# Altium PCB Battery Protector.PcbDoc (part 3 of 3)
Units mm, origin at the board's own origin, x right, y up, seen from the top; angles counter-clockwise.
Board outline 80 x 160 mm, 2 copper layers (L1 - Primary, L2 - Secondary), stack 1.65 mm thick; 434 components, 253 nets, 1087 pads, 125 vias.
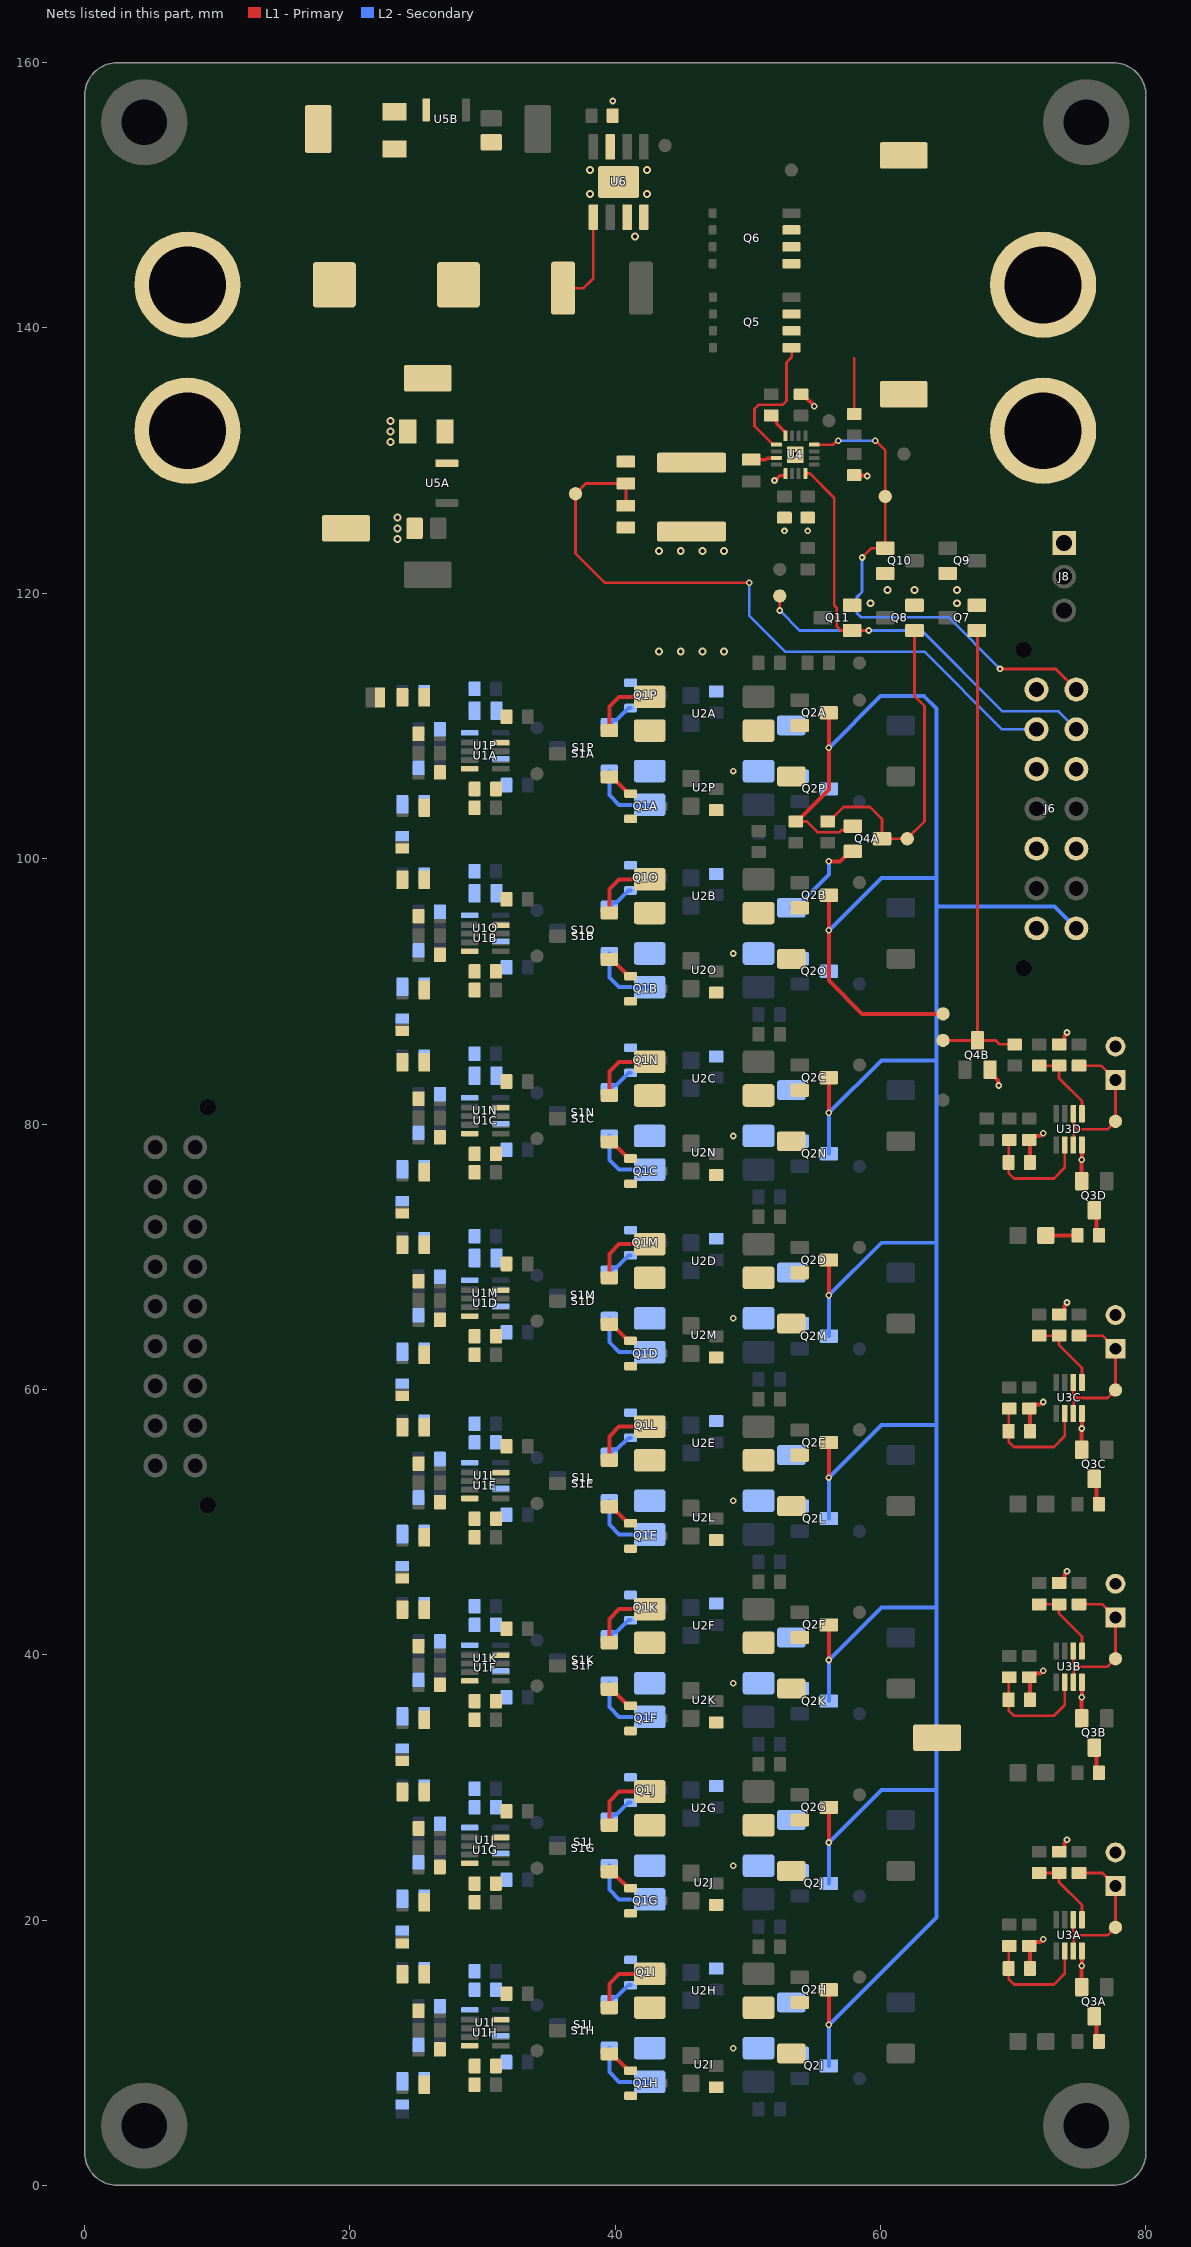
[diagram p3: the nets of this part, all layers, seen from the top]

## Via types
v1: diameter 0.5, hole 0.25, L1 - Primary to L2 - Secondary, tented both sides, 67 vias
v2: diameter 0.6, hole 0.3, L1 - Primary to L2 - Secondary, tented both sides, 58 vias

## Nets (pads, with @x,y where several pads share a name; then routed paths per layer and width w, separated by ;. In a path a pad name is that pad's centre, name@x,y a point inside that pad or via, vN(x,y) a via of type N, cw(c..) or ccw(c..) an arc to the next point about the centre after c; other vN are vias at no path point) (continued)
NetLED2D_2: LED2D.2 R16D.2 | length 2.4
  L1 - Primary w0.3: LED2D.2@72.45,71.6 R16D.2@74.85,71.6
NetQ1A_1: Q1A.1 S1A.1 | length 2.1
  L1 - Primary w0.3: S1A.1@39.55,106.15 39.9,105.8 40.1,105.8 41,104.9 Q1A.1@41.15,104.9
NetQ1B_1: Q1B.1 S1B.1 | length 2.1
  L1 - Primary w0.3: S1B.1@39.55,92.4 39.9,92.05 40.1,92.05 41,91.15 Q1B.1@41.15,91.15
NetQ1C_1: Q1C.1 S1C.1 | length 2.1
  L1 - Primary w0.3: S1C.1@39.55,78.65 39.9,78.3 40.1,78.3 41,77.4 Q1C.1@41.15,77.4
NetQ1D_1: Q1D.1 S1D.1 | length 2.1
  L1 - Primary w0.3: S1D.1@39.55,64.9 39.9,64.55 40.1,64.55 41,63.65 Q1D.1@41.15,63.65
NetQ1E_1: Q1E.1 S1E.1 | length 2.1
  L1 - Primary w0.3: S1E.1@39.55,51.15 39.9,50.8 40.1,50.8 41,49.9 Q1E.1@41.15,49.9
NetQ1F_1: Q1F.1 S1F.1 | length 2.1
  L1 - Primary w0.3: S1F.1@39.55,37.4 39.9,37.05 40.1,37.05 41,36.15 Q1F.1@41.15,36.15
NetQ1G_1: Q1G.1 S1G.1 | length 2.1
  L1 - Primary w0.3: S1G.1@39.55,23.65 39.9,23.3 40.1,23.3 41,22.4 Q1G.1@41.15,22.4
NetQ1H_1: Q1H.1 S1H.1 | length 2.1
  L1 - Primary w0.3: S1H.1@39.55,9.9 39.9,9.55 40.1,9.55 41,8.65 Q1H.1@41.15,8.65
NetQ1I_1: Q1I.1 S1I.1 | length 2.1
  L2 - Secondary w0.3: S1I.1@39.55,13.85 39.9,14.2 40.1,14.2 41,15.1 Q1I.1@41.15,15.1
NetQ1J_1: Q1J.1 S1J.1 | length 2.1
  L2 - Secondary w0.3: S1J.1@39.55,27.6 39.9,27.95 40.1,27.95 41,28.85 Q1J.1@41.15,28.85
NetQ1K_1: Q1K.1 S1K.1 | length 2.1
  L2 - Secondary w0.3: S1K.1@39.55,41.35 39.9,41.7 40.1,41.7 41,42.6 Q1K.1@41.15,42.6
NetQ1L_1: Q1L.1 S1L.1 | length 2.1
  L2 - Secondary w0.3: S1L.1@39.55,55.1 39.9,55.45 40.1,55.45 41,56.35 Q1L.1@41.15,56.35
NetQ1M_1: Q1M.1 S1M.1 | length 2.1
  L2 - Secondary w0.3: S1M.1@39.55,68.85 39.9,69.2 40.1,69.2 41,70.1 Q1M.1@41.15,70.1
NetQ1N_1: Q1N.1 S1N.1 | length 2.1
  L2 - Secondary w0.3: S1N.1@39.55,82.6 39.9,82.95 40.1,82.95 41,83.85 Q1N.1@41.15,83.85
NetQ1O_1: Q1O.1 S1O.1 | length 2.1
  L2 - Secondary w0.3: S1O.1@39.55,96.35 39.9,96.7 40.1,96.7 41,97.6 Q1O.1@41.15,97.6
NetQ1P_1: Q1P.1 S1P.1 | length 2.1
  L2 - Secondary w0.3: S1P.1@39.55,110.1 39.9,110.45 40.1,110.45 41,111.35 Q1P.1@41.15,111.35
NetQ3A_3: Q3A.3 R16A.1 | length 2
  L1 - Primary w0.3: Q3A.3@76.1,12.75 76.275,12.575 76.275,11.025 R16A.1@76.45,10.85
NetQ3B_3: Q3B.3 R16B.1 | length 2
  L1 - Primary w0.3: Q3B.3@76.1,33 76.275,32.825 76.275,31.275 R16B.1@76.45,31.1
NetQ3C_3: Q3C.3 R16C.1 | length 2
  L1 - Primary w0.3: Q3C.3@76.1,53.25 76.275,53.075 76.275,51.525 R16C.1@76.45,51.35
NetQ3D_3: Q3D.3 R16D.1 | length 2
  L1 - Primary w0.3: Q3D.3@76.1,73.5 76.275,73.325 76.275,71.775 R16D.1@76.45,71.6
NetR22_1: R22.1 U4.12 | length 2
  L1 - Primary w0.25: R22.1@51.75,133.4 51.85,133.4 52.175,133.075 52.175,132.775 52.825,132.125 U4.12@52.825,131.875
OPTO_INA: S1A.2 U2A.1 | length 5.2
  L1 - Primary w0.3: S1A.2@39.55,109.65 39.55,111.45 40.29,112.19 U2A.1@42.6,112.19
OPTO_INB: S1B.2 U2B.1 | length 5.2
  L1 - Primary w0.3: S1B.2@39.55,95.9 39.55,97.7 40.29,98.44 U2B.1@42.6,98.44
OPTO_INC: S1C.2 U2C.1 | length 5.2
  L1 - Primary w0.3: S1C.2@39.55,82.15 39.55,83.95 40.29,84.69 U2C.1@42.6,84.69
OPTO_IND: S1D.2 U2D.1 | length 5.2
  L1 - Primary w0.3: S1D.2@39.55,68.4 39.55,70.2 40.29,70.94 U2D.1@42.6,70.94
OPTO_INE: S1E.2 U2E.1 | length 5.2
  L1 - Primary w0.3: S1E.2@39.55,54.65 39.55,56.45 40.29,57.19 U2E.1@42.6,57.19
OPTO_INF: S1F.2 U2F.1 | length 5.2
  L1 - Primary w0.3: S1F.2@39.55,40.9 39.55,42.7 40.29,43.44 U2F.1@42.6,43.44
OPTO_ING: S1G.2 U2G.1 | length 5.2
  L1 - Primary w0.3: S1G.2@39.55,27.15 39.55,28.95 40.29,29.69 U2G.1@42.6,29.69
OPTO_INH: S1H.2 U2H.1 | length 5.2
  L1 - Primary w0.3: S1H.2@39.55,13.4 39.55,15.2 40.29,15.94 U2H.1@42.6,15.94
OPTO_INI: S1I.2 U2I.1 | length 5.2
  L2 - Secondary w0.3: S1I.2@39.55,10.35 39.55,8.55 40.29,7.81 U2I.1@42.6,7.81
OPTO_INJ: S1J.2 U2J.1 | length 5.2
  L2 - Secondary w0.3: S1J.2@39.55,24.1 39.55,22.3 40.29,21.56 U2J.1@42.6,21.56
OPTO_INK: S1K.2 U2K.1 | length 5.2
  L2 - Secondary w0.3: S1K.2@39.55,37.85 39.55,36.05 40.29,35.31 U2K.1@42.6,35.31
OPTO_INL: S1L.2 U2L.1 | length 5.2
  L2 - Secondary w0.3: S1L.2@39.55,51.6 39.55,49.8 40.29,49.06 U2L.1@42.6,49.06
OPTO_INM: S1M.2 U2M.1 | length 5.2
  L2 - Secondary w0.3: S1M.2@39.55,65.35 39.55,63.55 40.29,62.81 U2M.1@42.6,62.81
OPTO_INN: S1N.2 U2N.1 | length 5.2
  L2 - Secondary w0.3: S1N.2@39.55,79.1 39.55,77.3 40.29,76.56 U2N.1@42.6,76.56
OPTO_INO: S1O.2 U2O.1 | length 5.2
  L2 - Secondary w0.3: S1O.2@39.55,92.85 39.55,91.05 40.29,90.31 U2O.1@42.6,90.31
OPTO_INP: S1P.2 U2P.1 | length 5.2
  L2 - Secondary w0.3: S1P.2@39.55,106.6 39.55,104.8 40.29,104.06 U2P.1@42.6,104.06
OT_REFA: R11A.1 R13A.2 U3A.2 | length 9
  L1 - Primary w0.204: R11A.1@69.7,18.05 69.65,18 R13A.2@69.65,16.35 69.65,15.55 70.05,15.15 73.05,15.15 73.875,15.975 U3A.2@73.875,17.675
OT_REFB: R11B.1 R13B.2 U3B.2 | length 9
  L1 - Primary w0.204: R11B.1@69.7,38.3 69.65,38.25 R13B.2@69.65,36.6 69.65,35.8 70.05,35.4 73.05,35.4 73.875,36.225 U3B.2@73.875,37.925
OT_REFC: R11C.1 R13C.2 U3C.2 | length 9
  L1 - Primary w0.204: R11C.1@69.7,58.55 69.65,58.5 R13C.2@69.65,56.85 69.65,56.05 70.05,55.65 73.05,55.65 73.875,56.475 U3C.2@73.875,58.175
OT_REFD: R11D.1 R13D.2 U3D.2 | length 9
  L1 - Primary w0.204: R11D.1@69.7,78.8 69.65,78.75 R13D.2@69.65,77.1 69.65,76.3 70.05,75.9 73.05,75.9 73.875,76.725 U3D.2@73.875,78.425
TCELLS_ERR: Q4B.3 Q7.1 R28B.1 TP10B.1 | length 36.4
  L1 - Primary w0.204: TP10B.1@64.7,86.3 Q4B.3@67.3,86.3 ; Q7.1@67.25,117.2 67.3,117.15 Q4B.3@67.3,86.3 ; R28B.1@70.1,86 68.975,86 68.675,86.3 Q4B.3@67.3,86.3
TSA: J5A.1 R10A.1 TP7A.1 U3A.3 U3A.6 | length 12
  L1 - Primary w0.204: U3A.3@74.525,17.675 74.55,17.7 74.55,18.55 74.85,18.85 ; U3A.6@74.525,20.025 74.525,19.175 74.85,18.85 ; R10A.1@74.95,23.55 76.71,23.55 J5A.1@77.7,22.56 TP7A.1@77.7,19.45 77.1,18.85 74.85,18.85
TSB: J5B.1 R10B.1 TP7B.1 U3B.3 U3B.6 | length 12
  L1 - Primary w0.204: U3B.3@74.525,37.925 74.55,37.95 74.55,38.8 74.85,39.1 ; U3B.6@74.525,40.275 74.525,39.425 74.85,39.1 ; R10B.1@74.95,43.8 76.71,43.8 J5B.1@77.7,42.81 TP7B.1@77.7,39.7 77.1,39.1 74.85,39.1
TSC: J5C.1 R10C.1 TP7C.1 U3C.3 U3C.6 | length 12
  L1 - Primary w0.204: U3C.3@74.525,58.175 74.55,58.2 74.55,59.05 74.85,59.35 ; U3C.6@74.525,60.525 74.525,59.675 74.85,59.35 ; R10C.1@74.95,64.05 76.71,64.05 J5C.1@77.7,63.06 TP7C.1@77.7,59.95 77.1,59.35 74.85,59.35
TSD: J5D.1 R10D.1 TP7D.1 U3D.3 U3D.6 | length 12
  L1 - Primary w0.204: U3D.3@74.525,78.425 74.55,78.45 74.55,79.3 74.85,79.6 ; U3D.6@74.525,80.775 74.525,79.925 74.85,79.6 ; R10D.1@74.95,84.4 76.61,84.4 J5D.1@77.7,83.31 TP7D.1@77.7,80.2 77.1,79.6 74.85,79.6
UT_REFA: R12A.1 R14A.2 U3A.5 | length 5.7
  L1 - Primary w0.204: R12A.1@71.95,23.55 R14A.2@73.45,23.55 73.45,22.85 75.175,21.125 U3A.5@75.175,20.025
UT_REFB: R12B.1 R14B.2 U3B.5 | length 5.7
  L1 - Primary w0.204: R12B.1@71.95,43.8 R14B.2@73.45,43.8 73.45,43.1 75.175,41.375 U3B.5@75.175,40.275
UT_REFC: R12C.1 R14C.2 U3C.5 | length 5.7
  L1 - Primary w0.204: R12C.1@71.95,64.05 R14C.2@73.45,64.05 73.45,63.35 75.175,61.625 U3C.5@75.175,60.525
UT_REFD: R12D.1 R14D.2 U3D.5 | length 5.8
  L1 - Primary w0.204: R12D.1@71.95,84.4 R14D.2@73.45,84.4 73.45,83.45 75.175,81.725 U3D.5@75.175,80.775
VBAT+: C4A.2 C4B.2 C8.2 C10.1 F1.2 R21.2 R23.1 TP2.1 U4.15 U5A.3 U5B.3 U6.1 | length 9.1
  L1 - Primary w0.204: R23.1@36.065,143 37.6,143 38.345,143.745 U6.1@38.345,148.346
  L1 - Primary w0.25: C10.1@50.25,130.075 51.325,130.075 51.435,130.185 52.135,130.185 U4.15@52.15,130.2
VBAT+_F: F1.1 J1.1
VBAT-: C3A.1 C3B.1 C3C.1 C3D.1 C4A.1 C4B.1 C5A.1 C5B.1 C7.2 C8.1 C9.1 C11.1 C12.1 J1.2 J2.2 J5A.2 J5B.2 J5C.2 J5D.2 J6.3 J6.5 J6.8 J6.10 J6.12 J6.14 J8.1 Q2A.2 Q2B.2 Q2C.2 Q2D.2 Q2E.2 Q2F.2 Q2G.2 Q2H.2 Q2I.2 Q2J.2 Q2K.2 Q2L.2 Q2M.2 Q2N.2 Q2O.2 Q2P.2 Q3A.2 Q3B.2 Q3C.2 Q3D.2 Q4A.2 Q4B.2 Q7.2 Q8.2 Q9.2 Q10.2 Q11.2 R13A.1 R13B.1 R13C.1 R13D.1 R14A.1 R14B.1 R14C.1 R14D.1 R25.1 R29.1 S2A.2 S2B.2 S2C.2 S2D.2 S2E.2 S2F.2 S2G.2 S2H.2 S2I.2 S2J.2 S2K.2 S2L.2 S2M.2 S2N.2 S2O.2 S2P.2 TP1.1 TP4.1 TP24.1 TP26.1 U2A.3 U2B.3 U2C.3 U2D.3 U2E.3 U2F.3 U2G.3 U2H.3 U2I.3 U2J.3 U2K.3 U2L.3 U2M.3 U2N.3 U2O.3 U2P.3 U3A.4 U3B.4 U3C.4 U3D.4 U4.1 U4.17 U5A.2 U5B.2 U6.3 U6.4 U6.7 U6.9 | length 39.6
  L1 - Primary w0.25: v1(52,128.5) 52.068,128.5 52.446,128.879 52.8,128.879 52.825,128.904 U4.1@52.825,129.025
  L1 - Primary w0.3: C11.1@54,135 54.1,135 v1(55,134.1) ; v1(56.1,99.8) 56.95,99.8 57.7,100.55 Q4A.2@57.9,100.55 ; R25.1@58,128.9 58.031,128.869 58.969,128.869 v1(59,128.838) ; Q4B.2@68.25,84.1 68.25,83.9 68.862,83.288 68.862,82.938 v1(68.9,82.9) ; R13A.1@71.25,16.35 71.25,18 C3A.1@71.2,18.05 71.5,18.35 71.996,18.35 72.196,18.55 v1(72.25,18.55) ; R13B.1@71.25,36.6 71.25,38.25 C3B.1@71.2,38.3 71.5,38.6 71.996,38.6 72.196,38.8 v1(72.25,38.8) ; R13C.1@71.25,56.85 71.25,58.5 C3C.1@71.2,58.55 71.5,58.85 71.996,58.85 72.196,59.05 v1(72.25,59.05) ; R13D.1@71.25,77.1 71.25,78.75 C3D.1@71.2,78.8 71.5,79.1 71.996,79.1 72.196,79.3 v1(72.25,79.3) ; R14A.1@73.45,25.15 73.55,25.15 73.85,25.45 73.85,25.796 74.05,25.996 v1(74.05,26.05) ; R14B.1@73.45,45.4 73.55,45.4 73.85,45.7 73.85,46.046 74.05,46.246 v1(74.05,46.3) ; R14C.1@73.45,65.65 73.55,65.65 73.85,65.95 73.85,66.296 74.05,66.496 v1(74.05,66.55) ; R14D.1@73.45,86 73.55,86 73.85,86.3 73.85,86.646 74.05,86.846 v1(74.05,86.9) ; Q3A.2@75.15,14.95 v1(75.15,16.55) 75.162,16.562 75.162,17.663 U3A.4@75.175,17.675 ; Q3B.2@75.15,35.2 v1(75.15,36.8) 75.162,36.812 75.162,37.913 U3B.4@75.175,37.925 ; Q3C.2@75.15,55.45 v1(75.15,57.05) 75.162,57.062 75.162,58.163 U3C.4@75.175,58.175 ; Q3D.2@75.15,75.7 v1(75.15,77.3) 75.162,77.312 75.162,78.413 U3D.4@75.175,78.425
  L2 - Secondary w0.3: S2O.2@53.275,96.3 53.6,96.3 56.1,98.8 v1(56.1,99.8)
  other v1: 48.9,10.35 48.9,24.1 48.9,37.85 48.9,51.6 48.9,65.35 48.9,79.1 48.9,92.85 48.9,106.6 52.75,124.7 54.5,124.7 39.8,157.1
  other v2: 43.3,115.6 44.933,115.6 46.567,115.6 48.2,115.6 59.25,119.25 65.75,119.25 60.5,120.25 62.55,120.25 65.75,120.25 43.3,123.2 44.933,123.2 46.567,123.2 48.2,123.2 23.575,124.1 23.575,124.9 23.575,125.7 53.575,130.45 23.07,131.4 23.07,132.2 23.07,133 41.5,146.9 38.1,150.1 42.4,150.1 38.1,151.9 42.4,151.9
VBAT_FB: J6.13 R21.1 R29.2 TP6.1 | length 52
  L1 - Primary w0.204: R29.2@40.8,126.6 R21.1@40.8,128.275 37.775,128.275 TP6.1@37,127.5 37,123 39.2,120.8 v1(50.1,120.8)
  L2 - Secondary w0.204: v1(50.1,120.8) 50.1,118.3 50.6,117.8 52.8,115.6 63.3,115.6 69.15,109.75 J6.13@71.75,109.75
VBAT_LOW_n: J6.6 Q11.1 TP19.1 U4.4 | length 42.4
  L1 - Primary w0.204: v1(52.4,118.7) TP19.1@52.4,119.8 ; U4.4@54.325,129.025 54.675,129.025 56.5,127.2 56.5,119.1 56.7,118.9 56.7,117.5 57,117.2 Q11.1@57.85,117.2 v1(59.1,117.2)
  L2 - Secondary w0.204: v1(52.4,118.7) 53.9,117.2 v1(59.1,117.2) 63.1,117.2 69.2,111.1 73.4,111.1 J6.6@74.75,109.75
VBAT_OC_n: J6.7 Q10.1 TP18.1 U4.8 | length 38.5
  L1 - Primary w0.204: U4.8@55,131.2 56.428,131.2 56.728,131.5 v1(56.8,131.5) ; v1(58.6,122.7) 59.3,123.4 Q10.1@60.35,123.4 TP18.1@60.35,127.3 60.35,130.75 v1(59.6,131.5) ; v1(69,114.3) 73.2,114.3 J6.7@74.75,112.75
  L2 - Secondary w0.204: v1(56.8,131.5) v1(59.6,131.5) ; v1(58.6,122.7) 58.6,120.1 58.2,119.7 58.2,118.5 58.5,118.2 65.1,118.2 v1(69,114.3)
VCCA: C2A.2 R3A.2 R4A.2 R5A.2 R7A.2 U1A.8
VCCB: C2B.2 R3B.2 R4B.2 R5B.2 R7B.2 U1B.8
VCCC: C2C.2 R3C.2 R4C.2 R5C.2 R7C.2 U1C.8
VCCD: C2D.2 R3D.2 R4D.2 R5D.2 R7D.2 U1D.8
VCCE: C2E.2 R3E.2 R4E.2 R5E.2 R7E.2 U1E.8
VCCF: C2F.2 R3F.2 R4F.2 R5F.2 R7F.2 U1F.8
VCCG: C2G.2 R3G.2 R4G.2 R5G.2 R7G.2 U1G.8
VCCH: C2H.2 R3H.2 R4H.2 R5H.2 R7H.2 U1H.8
VCCI: C2I.2 R3I.2 R4I.2 R5I.2 R7I.2 U1I.8
VCCJ: C2J.2 R3J.2 R4J.2 R5J.2 R7J.2 U1J.8
VCCK: C2K.2 R3K.2 R4K.2 R5K.2 R7K.2 U1K.8
VCCL: C2L.2 R3L.2 R4L.2 R5L.2 R7L.2 U1L.8
VCCM: C2M.2 R3M.2 R4M.2 R5M.2 R7M.2 U1M.8
VCCN: C2N.2 R3N.2 R4N.2 R5N.2 R7N.2 U1N.8
VCCO: C2O.2 R3O.2 R4O.2 R5O.2 R7O.2 U1O.8
VCCP: C2P.2 R3P.2 R4P.2 R5P.2 R7P.2 U1P.8
VCELLS_ERR: Q4A.3 Q8.1 R28A.1 TP10A.1 | length 24.9
  L1 - Primary w0.204: R28A.1@56,102.8 56.1,102.8 57.2,103.9 59.2,103.9 60.1,103 Q4A.3@60.1,101.5 TP10A.1@62,101.5 63.3,102.8 63.3,111.5 62.55,112.25 Q8.1@62.55,117.2
VCELLS_GOOD: J6.1 Q2A.3 Q2B.3 Q2C.3 Q2D.3 Q2E.3 Q2F.3 Q2G.3 Q2H.3 Q2I.3 Q2J.3 Q2K.3 Q2L.3 Q2M.3 Q2N.3 Q2O.3 Q2P.3 Q4A.1 R9.1 TP9.1 | length 253
  L1 - Primary w0.204: R9.1@53.7,102.8 54.438,102.8 55.238,102 56.9,102 57.063,102.163 57.613,102.163 Q4A.1@57.9,102.45
  L1 - Primary w0.3: R9.1@53.6,102.8 53.7,102.8 56.1,105.2 v1(56.1,108.35) Q2A.3@56.1,110.992 ; v1(56.1,12.1) Q2H.3@56.1,14.742 ; v1(56.1,25.85) Q2G.3@56.1,28.492 ; v1(56.1,39.6) Q2F.3@56.1,42.242 ; v1(56.1,53.35) Q2E.3@56.1,55.992 ; v1(56.1,67.1) Q2D.3@56.1,69.742 ; v1(56.1,80.85) Q2C.3@56.1,83.492 ; Q2B.3@56.1,97.242 v1(56.1,94.6) 56.1,90.8 58.6,88.3 TP9.1@64.7,88.3
  L2 - Secondary w0.3: Q2I.3@56.1,9.008 v1(56.1,12.1) 64.2,20.2 64.2,29.8 ; Q2J.3@56.1,22.758 v1(56.1,25.85) 60.05,29.8 64.2,29.8 ; Q2K.3@56.1,36.508 v1(56.1,39.6) 60.05,43.55 64.2,43.55 ; Q2L.3@56.1,50.258 v1(56.1,53.35) 60.05,57.3 64.2,57.3 ; Q2M.3@56.1,64.008 v1(56.1,67.1) 60.05,71.05 64.2,71.05 ; Q2N.3@56.1,77.758 v1(56.1,80.85) 60.05,84.8 64.2,84.8 ; Q2O.3@56.1,91.508 v1(56.1,94.6) 60.05,98.55 64.2,98.55 ; Q2P.3@56.1,105.258 v1(56.1,108.35) 60,112.25 63.25,112.25 64.2,111.3 64.2,98.55 ; J6.1@74.75,94.75 73.1,96.4 64.2,96.4 ; 64.2,29.8 64.2,43.55 ; 64.2,43.55 64.2,57.3 ; 64.2,57.3 64.2,71.05 ; 64.2,71.05 64.2,84.8 ; 64.2,84.8 64.2,96.4 ; 64.2,96.4 64.2,98.55
VEE1: NT1.2 R8A.1
VEE2: NT2.2 R8B.1
VEE3: NT3.2 R8C.1
VEE4: NT4.2 R8D.1
VEE5: NT5.2 R8E.1
VEE6: NT6.2 R8F.1
VEE7: NT7.2 R8G.1
VEE8: NT8.2 R8H.1
VEE9: NT9.2 R8I.1
VEE10: NT10.2 R8J.1
VEE11: NT11.2 R8K.1
VEE12: NT12.2 R8L.1
VEE13: NT13.2 R8M.1
VEE14: NT14.2 R8N.1
VEE15: NT15.2 R8O.1
VEE16: NT16.2 R8P.1
VEEA: C1A.1 C2A.1 Q1A.2 R1A.1 R8A.2 U1A.4 U2A.2
VEEB: C1B.1 C2B.1 Q1B.2 R1B.1 R8B.2 U1B.4 U2B.2
VEEC: C1C.1 C2C.1 Q1C.2 R1C.1 R8C.2 U1C.4 U2C.2
VEED: C1D.1 C2D.1 Q1D.2 R1D.1 R8D.2 U1D.4 U2D.2
VEEE: C1E.1 C2E.1 Q1E.2 R1E.1 R8E.2 U1E.4 U2E.2
VEEF: C1F.1 C2F.1 Q1F.2 R1F.1 R8F.2 U1F.4 U2F.2
VEEG: C1G.1 C2G.1 Q1G.2 R1G.1 R8G.2 U1G.4 U2G.2
VEEH: C1H.1 C2H.1 Q1H.2 R1H.1 R8H.2 U1H.4 U2H.2
VEEI: C1I.1 C2I.1 Q1I.2 R1I.1 R8I.2 U1I.4 U2I.2
VEEJ: C1J.1 C2J.1 Q1J.2 R1J.1 R8J.2 U1J.4 U2J.2
VEEK: C1K.1 C2K.1 Q1K.2 R1K.1 R8K.2 U1K.4 U2K.2
VEEL: C1L.1 C2L.1 Q1L.2 R1L.1 R8L.2 U1L.4 U2L.2
VEEM: C1M.1 C2M.1 Q1M.2 R1M.1 R8M.2 U1M.4 U2M.2
VEEN: C1N.1 C2N.1 Q1N.2 R1N.1 R8N.2 U1N.4 U2N.2
VEEO: C1O.1 C2O.1 Q1O.2 R1O.1 R8O.2 U1O.4 U2O.2
VEEP: C1P.1 C2P.1 Q1P.2 R1P.1 R8P.2 U1P.4 U2P.2
VPACK+: J2.1 Q5.1 Q5.2 Q5.3 Q6.1 Q6.2 Q6.3 R24.2 TP25.1 U4.13 | length 14.6
  L1 - Primary w0.204: U4.13@52.15,131.2 51.9,131.2 50.5,132.6 50.5,133.9 50.8,134.2 52.6,134.2 52.9,134.5 52.9,137.4 53.292,137.792 Q5.1@53.292,138.512 ; R24.2@58,133.5 58,137.7
pads on no net: J4.1 J4.MH1 J4.MH2 J6.MH1 J6.MH2 J8.3 MH1.0 MH2.0 MH3.0 MH4.0 U4.10 U6.6
copper on no net:
  other v2: 4.5,2 75.5,2 2.732,2.732 6.268,2.732 73.732,2.732 77.268,2.732 2,4.5 7,4.5 73,4.5 78,4.5 2.732,6.268 6.268,6.268 73.732,6.268 77.268,6.268 4.5,7 75.5,7 4.5,153 75.5,153 2.732,153.732 6.268,153.732 73.732,153.732 77.268,153.732 2,155.5 7,155.5 73,155.5 78,155.5 2.732,157.268 6.268,157.268 73.732,157.268 77.268,157.268 4.5,158 75.5,158

## Polygon pours and split planes (outlines as drawn)
VEED on L1 - Primary "VEED_L01_P007" (solid, pour order 7): 37 vertices, not listed, extent 24.5,61.25 44.25,71.75
VEEF on L1 - Primary "VEEF_L01_P009" (solid, pour order 9): 37 vertices, not listed, extent 24.5,33.75 44.25,44.25
VBAT+ on L1 - Primary "L1 - Primary-VBAT+" (solid, pour order 151): 28 vertices, not listed, extent 19.5,128.5 50.75,157.75
VBAT- on L1 - Primary "VBAT-_L01_P159" (solid, pour order 159): 26.5,156 26.5,158.25 19,158.25 19,152.5 16,152.5 16,159.25 28,159.25 28,156
VBAT- on L1 - Primary "VBAT-_L01_P158" (solid, pour order 158): 70,133.5 69,134.5 68.25,134.5 67.25,133.5 59.5,133.5 59.5,136.5 68.75,136.5 71,134.25 71,133.5
VBAT- on L1 - Primary "VBAT-_L01_P157" (solid, pour order 157): 57,118.75 57,120.25 59.25,120.25 59.25,121.75 61.5,121.75 61.5,121.25 63.75,121.25 63.75,121.75 66.25,121.75 66.25,120.25 68.5,120.25 68.5,118.75 66.25,118.75
3V3 on L1 - Primary "3V3_L01_P156" (solid, pour order 156): 20 vertices, not listed, extent 23.5,113.5 55.1,127
VBAT- on L1 - Primary "VBAT-_L01_P155" (solid, pour order 155): 22.5,126.5 17.25,126.5 17.25,123.5 22.5,123.5 25.5,123.5 25.5,126.5 26.25,126.5 26.25,130.25 25.5,130.25 25.5,133.75 22.5,133.75
VBAT- on L1 - Primary "L1 - Primary-VBAT- 1" (solid, pour order 154): 29 vertices, not listed, extent 22,146.5 43,157.4
5V0 on L1 - Primary "5V0_L01_P153" (solid, pour order 153): 38.75,157.75 38.75,155.5 36.5,155.5 36.5,152.5 32.5,152.5 32.5,155 29.8,155 29.3,155.5 28.4,155.5 28.4,157.75
VPACK+ on L1 - Primary "VPACK+_L01_P149" (solid, pour order 149): 59.5,150.7 59.5,154.5 64,154.5 64,150.7 78.5,150.7 78.5,137.1 52.5,137.1 52.5,141.8 54.25,141.8 54.25,144.25 52.5,144.25 52.5,148.1 55.1,148.1 57.7,150.7
CS- on L1 - Primary "CS-_L01_P147" (solid, pour order 147): 41,146 42.5,146 47,150.5 51.5,150.5 51.5,137.25 49,134.75 41,134.75
VBAT+_F on L1 - Primary "VBAT+_F_L01_P145" (solid, pour order 145): 1,137.25 1,150 21.25,150 21.25,137.25
VBAT- on L1 - Primary "VBAT-_L01_P144" (solid, pour order 144): 42.3,125.6 39.9,125.6 39.9,124.3 42.3,124.3 42.3,122.6 49.8,122.6 51.6,124.4 55.4,124.4 55.4,126.4 42.3,126.4
CELL_V8 on L1 - Primary "CELL_V8_L01_P118" (solid, pour order 118): 23,6.5 23,3 25,3 25,6.25 24.75,6.5 24.75,8.5 12,8.5 8.75,11.75 8.75,52.5 9.75,53.5 9.75,55.5 6.75,55.5 6.75,10.5 10.75,6.5
CELL_V7 on L1 - Primary "L1 - Primary-CELL_V7" (solid, pour order 117): 23.45,19.25 24.45,19.25 24.45,22.25 13.75,22.25 12.25,23.75 12.25,58.5 6.75,58.5 6.75,56 10,56 10.5,55.5 10.5,22.5 12.75,20.25 23.45,20.25
CELL_V6 on L1 - Primary "L1 - Primary-CELL_V6" (solid, pour order 115): 23.45,33 24.45,33 24.45,36 17.5,36 15.25,38.25 15.25,61.5 6.75,61.5 6.75,59 13.25,59 13.25,36.75 15.75,34.25 23.45,34.25
CELL_V5 on L1 - Primary "L1 - Primary-CELL_V5" (solid, pour order 113): 23.45,46.75 24.45,46.75 24.45,49.75 23.45,49.75 20.75,49.75 18.25,52.25 18.25,64.5 6.75,64.5 6.75,62 16.25,62 16.25,50.75 19.25,47.75 23.45,47.75
CELL_V4 on L1 - Primary "L1 - Primary-CELL_V4" (solid, pour order 111): 24.45,63.5 20.45,67.5 6.75,67.5 6.75,65 20.15,65 23.45,61.7 23.45,60.5 24.45,60.5
CELL_V3 on L1 - Primary "L1 - Primary-CELL_V3" (solid, pour order 109): 23.45,74.25 24.45,74.25 24.45,77.25 18,77.25 16.25,75.5 16.25,70.5 6.75,70.5 6.75,68 18.25,68 18.25,74.25 19,75 23.45,75
CELL_V2 on L1 - Primary "L1 - Primary-CELL_V2" (solid, pour order 107): 23.45,88 24.45,88 24.45,91 15.25,91 13.25,89 13.25,73.5 6.75,73.5 6.75,71 15.25,71 15.25,88.25 16,89 23.45,89
CELL_V1 on L1 - Primary "L1 - Primary-CELL_V1" (solid, pour order 105): 23.45,101.75 24.45,101.75 24.45,104.75 12.75,104.75 10.5,102.5 10.5,77 10,76.5 6.75,76.5 6.75,74 12.25,74 12.25,101.75 13.25,102.75 23.45,102.75
CELL_V0 on L1 - Primary "CELL_V0_L01_P103" (solid, pour order 103): 6.75,77 6.75,110.5 9.15,112.9 21.5,112.9 21.5,111.4 10.6,111.4 8.75,109.55 8.75,80 9.75,79 9.75,77
VBAT- on L1 - Primary "L1 - Primary-VBAT-" (solid, pour order 99): 60 vertices, not listed, extent 42.75,8.75 66.5,116
VEE8 on L1 - Primary "VEE8_L01_P049" (solid, pour order 49): 24.45,18 24.45,15 23.45,15 23.45,18
VEE7 on L1 - Primary "VEE7_L01_P047" (solid, pour order 47): 24.45,31.75 24.45,28.75 23.45,28.75 23.45,31.75
VEE6 on L1 - Primary "VEE6_L01_P045" (solid, pour order 45): 24.45,45.5 24.45,42.5 23.45,42.5 23.45,45.5
VEE5 on L1 - Primary "VEE5_L01_P043" (solid, pour order 43): 24.45,59.25 24.45,56.25 23.45,56.25 23.45,59.25
VEE4 on L1 - Primary "VEE4_L01_P041" (solid, pour order 41): 24.45,73 24.45,70 23.45,70 23.45,73
VEE2 on L1 - Primary "VEE2_L01_P039" (solid, pour order 39): 24.45,100.5 24.45,97.5 23.45,97.5 23.45,100.5
VCCH on L1 - Primary "VCCH_L01_P029" (solid, pour order 29): 17 vertices, not listed, extent 25.25,5.25 48.25,10.75
VCCG on L1 - Primary "VCCG_L01_P028" (solid, pour order 28): 17 vertices, not listed, extent 25.25,19 48.25,24.5
VCCF on L1 - Primary "VCCF_L01_P027" (solid, pour order 27): 17 vertices, not listed, extent 25.25,32.75 48.25,38.25
VCCE on L1 - Primary "VCCE_L01_P026" (solid, pour order 26): 17 vertices, not listed, extent 25.25,46.5 48.25,52
VCCD on L1 - Primary "VCCD_L01_P025" (solid, pour order 25): 17 vertices, not listed, extent 25.25,60.25 48.25,65.75
VCCC on L1 - Primary "VCCC_L01_P024" (solid, pour order 24): 17 vertices, not listed, extent 25.25,74 48.25,79.5
VCCB on L1 - Primary "VCCB_L01_P023" (solid, pour order 23): 17 vertices, not listed, extent 25.25,87.75 48.25,93.25
VEEA on L1 - Primary "VEEA_L01_P022" (solid, pour order 22): 37 vertices, not listed, extent 24.5,102.5 44.25,113
VEEB on L1 - Primary "VEEB_L01_P021" (solid, pour order 21): 37 vertices, not listed, extent 24.5,88.75 44.25,99.25
VCCA on L1 - Primary "VCCA_L01_P020" (solid, pour order 20): 17 vertices, not listed, extent 25.25,101.5 48.25,107
VEEH on L1 - Primary "VEEH_L01_P011" (solid, pour order 11): 37 vertices, not listed, extent 24.5,6.25 44.25,16.75
VEEG on L1 - Primary "VEEG_L01_P010" (solid, pour order 10): 37 vertices, not listed, extent 24.5,20 44.25,30.5
VEEE on L1 - Primary "VEEE_L01_P008" (solid, pour order 8): 37 vertices, not listed, extent 24.5,47.5 44.25,58
VEEC on L1 - Primary "VEEC_L01_P006" (solid, pour order 6): 37 vertices, not listed, extent 24.5,75 44.25,85.5
VEE3 on L1 - Primary "VEE3_L01_P005" (solid, pour order 5): 24.45,86.75 24.45,83.75 23.45,83.75 23.45,86.75
VEE1 on L1 - Primary "VEE1_L01_P000" (solid, pour order 0): 24.5,111.4 24.5,112.9 22.3,112.9 22.3,111.4
VBAT- on L2 - Secondary "VBAT-_L02_P070" (solid, pour order 70): 54.75,97.5 52.25,97.5 48.5,93.75 48.5,91.5 54.75,91.5
VBAT- on L2 - Secondary "L4 - Secondary-VBAT-" (solid, pour order 143): 77 vertices, not listed, extent 1,16.15 79.5,157.75
CELL_V16 on L2 - Secondary "CELL_V16_L02_P134" (solid, pour order 134): 18 vertices, not listed, extent 2,74 24.5,113.5
CELL_V15 on L2 - Secondary "L4 - Secondary-CELL_V15" (solid, pour order 133): 24 vertices, not listed, extent 4,71 24.45,100.75
CELL_V14 on L2 - Secondary "L4 - Secondary-CELL_V14" (solid, pour order 131): 26 vertices, not listed, extent 4,68 24.45,87
CELL_V13 on L2 - Secondary "L4 - Secondary-CELL_V13" (solid, pour order 129): 24 vertices, not listed, extent 4,65 24.45,73.25
CELL_V12 on L2 - Secondary "L4 - Secondary-CELL_V12" (solid, pour order 127): 24 vertices, not listed, extent 4,56.5 24.45,64.5
CELL_V10 on L2 - Secondary "L4 - Secondary-CELL_V10" (solid, pour order 125): 23 vertices, not listed, extent 4,29 24.45,58.5
CELL_V11 on L2 - Secondary "L4 - Secondary-CELL_V11" (solid, pour order 124): 25 vertices, not listed, extent 4,42.75 24.45,61.5
CELL_V9 on L2 - Secondary "L4 - Secondary-CELL_V9" (solid, pour order 121): 4.5,55.5 3.91,54.91 3.91,53.5 4.91,52.5 4.91,17.099 6.739,15.25 23.45,15.25 24.45,15.25 24.45,18.25 23.45,18.25 23.45,17.25 7.75,17.25 6.91,18.09 6.91,54.84 6.25,55.5
CELL_V8 on L2 - Secondary "CELL_V8_L02_P119" (solid, pour order 119): 25,3 25,4.7 24.45,5.25 23.45,5.25 23,4.8 23,3
VBAT- on L2 - Secondary "VBAT-_L02_P072" (solid, pour order 72): 54.75,15 52.25,15 48.5,11.25 48.5,9 54.75,9
VBAT- on L2 - Secondary "VBAT-_L02_P071" (solid, pour order 71): 54.75,111.25 52.25,111.25 48.5,107.5 48.5,105.25 54.75,105.25
VBAT- on L2 - Secondary "VBAT-_L02_P069" (solid, pour order 69): 54.75,83.75 52.25,83.75 48.5,80 48.5,77.75 54.75,77.75
VBAT- on L2 - Secondary "VBAT-_L02_P068" (solid, pour order 68): 54.75,70 52.25,70 48.5,66.25 48.5,64 54.75,64
VBAT- on L2 - Secondary "VBAT-_L02_P067" (solid, pour order 67): 54.75,56.25 52.25,56.25 48.5,52.5 48.5,50.25 54.75,50.25
VBAT- on L2 - Secondary "VBAT-_L02_P066" (solid, pour order 66): 54.75,42.5 52.25,42.5 48.5,38.75 48.5,36.5 54.75,36.5
VBAT- on L2 - Secondary "VBAT-_L02_P065" (solid, pour order 65): 54.75,28.75 52.25,28.75 48.5,25 48.5,22.75 54.75,22.75
VEE9 on L2 - Secondary "VEE9_L02_P064" (solid, pour order 64): 24.45,6.25 24.45,8.75 23.45,8.75 23.45,6.25
VEE16 on L2 - Secondary "VEE16_L02_P062" (solid, pour order 62): 24.45,102 24.45,105 23.45,105 23.45,102
VEE15 on L2 - Secondary "VEE15_L02_P060" (solid, pour order 60): 24.45,88.25 24.45,91.25 23.45,91.25 23.45,88.25
VEE10 on L2 - Secondary "VEE10_L02_P058" (solid, pour order 58): 24.45,19.5 24.45,22.5 23.45,22.5 23.45,19.5
VEE11 on L2 - Secondary "VEE11_L02_P056" (solid, pour order 56): 24.45,33.25 24.45,36.25 23.45,36.25 23.45,33.25
VEE12 on L2 - Secondary "VEE12_L02_P054" (solid, pour order 54): 24.45,47 24.45,50 23.45,50 23.45,47
VEE13 on L2 - Secondary "VEE13_L02_P052" (solid, pour order 52): 24.45,60.75 24.45,63.75 23.45,63.75 23.45,60.75
VEE14 on L2 - Secondary "VEE14_L02_P050" (solid, pour order 50): 24.45,74.5 24.45,77.5 23.45,77.5 23.45,74.5
VCCP on L2 - Secondary "VCCP_L02_P037" (solid, pour order 37): 27.75,113.5 29,114.75 47.5,114.75 48.25,114 48.25,112 47,112 47,113.5 46.5,114 30.646,114 29.75,113.104 29.75,109.25 26.25,109.25 26.25,110.25 25.25,111.25 25.25,113.5
VCCO on L2 - Secondary "VCCO_L02_P036" (solid, pour order 36): 27.75,99.75 29,101 47.5,101 48.25,100.25 48.25,98.25 47,98.25 47,99.75 46.5,100.25 30.646,100.25 29.75,99.354 29.75,95.5 26.25,95.5 26.25,96.5 25.25,97.5 25.25,99.75
VCCN on L2 - Secondary "VCCN_L02_P035" (solid, pour order 35): 27.75,86 29,87.25 47.5,87.25 48.25,86.5 48.25,84.5 47,84.5 47,86 46.5,86.5 30.646,86.5 29.75,85.604 29.75,81.75 26.25,81.75 26.25,82.75 25.25,83.75 25.25,86
VCCM on L2 - Secondary "VCCM_L02_P034" (solid, pour order 34): 27.75,72.25 29,73.5 47.5,73.5 48.25,72.75 48.25,70.75 47,70.75 47,72.25 46.5,72.75 30.646,72.75 29.75,71.854 29.75,68 26.25,68 26.25,69 25.25,70 25.25,72.25
VCCL on L2 - Secondary "VCCL_L02_P033" (solid, pour order 33): 17 vertices, not listed, extent 25.25,54.25 48.25,59.75
VCCK on L2 - Secondary "VCCK_L02_P032" (solid, pour order 32): 17 vertices, not listed, extent 25.25,40.5 48.25,46
VCCJ on L2 - Secondary "VCCJ_L02_P031" (solid, pour order 31): 17 vertices, not listed, extent 25.25,26.75 48.25,32.25
VCCI on L2 - Secondary "VCCI_L02_P030" (solid, pour order 30): 17 vertices, not listed, extent 25.25,13 48.25,18.5
VEEP on L2 - Secondary "VEEP_L02_P019" (solid, pour order 19): 36 vertices, not listed, extent 24.5,103.25 44.25,113.75
VEEO on L2 - Secondary "VEEO_L02_P018" (solid, pour order 18): 36 vertices, not listed, extent 24.5,89.5 44.25,100
VEEN on L2 - Secondary "VEEN_L02_P017" (solid, pour order 17): 36 vertices, not listed, extent 24.5,75.75 44.25,86.25
VEEM on L2 - Secondary "VEEM_L02_P016" (solid, pour order 16): 36 vertices, not listed, extent 24.5,62 44.25,72.5
VEEL on L2 - Secondary "VEEL_L02_P015" (solid, pour order 15): 37 vertices, not listed, extent 24.5,48.25 44.25,58.75
VEEK on L2 - Secondary "VEEK_L02_P014" (solid, pour order 14): 37 vertices, not listed, extent 24.5,34.5 44.25,45
VEEJ on L2 - Secondary "VEEJ_L02_P013" (solid, pour order 13): 37 vertices, not listed, extent 24.5,20.75 44.25,31.25
VEEI on L2 - Secondary "VEEI_L02_P012" (solid, pour order 12): 37 vertices, not listed, extent 24.5,7 44.25,17.5

## Other copper
L2 - Secondary:
  pour cut-out: 76.4,41.5 78.8,41.5 78.8,44.2 76.4,44.2
  pour cut-out: 76.4,82 78.8,82 78.8,84.7 76.4,84.7
  pour cut-out: 76.4,61.75 78.8,61.75 78.8,64.4 76.4,64.4

## Silkscreen, mask and mechanical layers (free items; w line width, h text height)
Top Overlay:
  text "VBAT-" at 15.353,157.154 h1.5
  text "5V0" at 33.03,157.154 h1.5
  text "VPACK+" at 59.04,154.304 h1.5
  text "DSG CS" at 44.481,153.35 h1.25
  text "DSG GATE" at 46.956,151.5 h1.25
  text "VBAT" at 3.719,148.905 h3
  text "VPACK" at 67.348,148.905 h3
  text "+" at 13.287,142.354 h4 r270
  text "+" at 66.713,142.354 h4 r90
  text "VBAT+" at 28.404,138.388 h1.5 r270
  text "VBAT-" at 59.562,136.304 h1.5
  text "–" at 13.622,131.252 h4 r270
  text "–" at 66.378,131.252 h4 r90
  text "COMP" at 62.426,130.1 h1.25
  text "VBAT FB" at 31.703,127.1 h1.25
  text "VBAT+" at 15.969,127.088 h1.5 r270
  text "VBAT OC_n" at 61.117,126.904 h1.25
  text "3V3" at 28.404,122.62 h1.5 r270
  text "DSG EN" at 47.547,121.4 h1.25
  text "VBAT LOW_n" at 44.682,119.404 h1.25
  text "DSG Switch" at 72.154,118.715 h2 r90
  text "GDRV RDY" at 59.152,114.27 h1.5
  text "E-SCOOTER / BATTERY PROTECTOR / FARRIS MATAR / MARCH 2023" at 2,114.188 h2
  text "CV1 ERR" at 59.137,111.52 h1.5
  text "C1 GD" at 18.95,106.15 h1.25
  text "CV1 GD" at 32.952,103.411 h1.5
  text "C1 GD" at 44.658,101.6 h1.25
  text "VCELLS ERR" at 59.988,99.006 h1.25
  text "CV2 ERR" at 59.137,97.77 h1.5
  text "Controller Interface" at 68.446,91.869 h3 r90
  text "CV2 GD" at 32.864,89.661 h1.5
  text "C2 GD" at 44.658,87.85 h1.25
  text "VCELLS GD" at 56.475,87.82 h1.5
  text "TMP ERR" at 58.008,85.82 h1.5
  text "CV3 ERR" at 59.137,84.02 h1.5
  text "TS D" at 78.47,81.676 h1.5 r270
  text "CT GD" at 59.883,81.32 h1.5
  text "Cell Voltages Port" at 11.573,77.125 h3 r270
  text "CV3 GD" at 32.859,75.911 h1.5
  text "C3 GD" at 44.658,74.1 h1.25
  text "CV4 ERR" at 59.137,70.27 h1.5
  text "CV4 GD" at 32.862,62.161 h1.5
  text "TS C" at 78.47,61.435 h1.5 r270
  text "C4 GD" at 44.658,60.35 h1.25
  text "CV5 ERR" at 59.137,56.52 h1.5
  text "CV5 GD" at 32.856,48.411 h1.5
  text "C5 GD" at 44.658,46.6 h1.25
  text "CV6 ERR" at 59.137,42.77 h1.5
  text "TS B" at 78.47,41.14 h1.5 r270
  text "CV6 GD" at 32.859,34.661 h1.5
  text "C6 GD" at 44.658,32.85 h1.25
  text "VBAT-" at 62.062,31.254 h1.5
  text "CV7 ERR" at 59.137,29.02 h1.5
  text "TS A" at 78.47,20.926 h1.5 r270
  text "CV7 GD" at 32.859,20.911 h1.5
  text "C7 GD" at 44.658,19.1 h1.25
  text "CV8 ERR" at 59.137,15.27 h1.5
  text "CV8 GD" at 32.859,7.161 h1.5
  text "C8 GD" at 44.658,5.35 h1.25
Bottom Overlay:
  text "C16 GD" at 44.594,114.58 h1.25 r180
  text "CV16 GD" at 32.486,112.839 h1.5 r180
  text "CV16 ERR" at 59.064,104.78 h1.5 r180
  text "C15 GD" at 44.594,100.83 h1.25 r180
  text "CV15 GD" at 32.483,99.089 h1.5 r180
  text "CV15 ERR" at 59.064,91.03 h1.5 r180
  text "C14 GD" at 44.594,87.08 h1.25 r180
  text "CV14 GD" at 32.488,85.339 h1.5 r180
  text "CV14 ERR" at 59.064,77.28 h1.5 r180
  text "C13 GD" at 44.594,73.33 h1.25 r180
  text "CV13 GD" at 32.486,71.589 h1.5 r180
  text "CV13 ERR" at 59.064,63.53 h1.5 r180
  text "C12 GD" at 44.594,59.58 h1.25 r180
  text "CV12 GD" at 32.488,57.839 h1.5 r180
  text "CV12 ERR" at 59.064,49.78 h1.5 r180
  text "C11 GD" at 44.594,45.83 h1.25 r180
  text "CV11 GD" at 32.488,44.089 h1.5 r180
  text "CV11 ERR" at 59.064,36.03 h1.5 r180
  text "C10 GD" at 44.594,32.08 h1.25 r180
  text "CV10 GD" at 32.488,30.339 h1.5 r180
  text "CV10 ERR" at 59.064,22.28 h1.5 r180
  text "C9 GD" at 44.929,18.33 h1.25 r180
  text "CV9 GD" at 32.859,16.589 h1.5 r180
  text "CV9 ERR" at 59.437,8.53 h1.5 r180
Mechanical 1:
  the board outline again, w0.254